# Altium PCB PCBv1.1.PcbDoc (part 2 of 2)
Units mil, origin at the board's own origin, x right, y up, seen from the top; angles counter-clockwise.
Board outline 3700.79 x 5244.09 mil, 2 copper layers (Top Layer, Bottom Layer), stack 63.6 mil thick; 127 components, 113 nets, 554 pads, 1072 vias.
Unrouted connection lines stored in the file: 3.
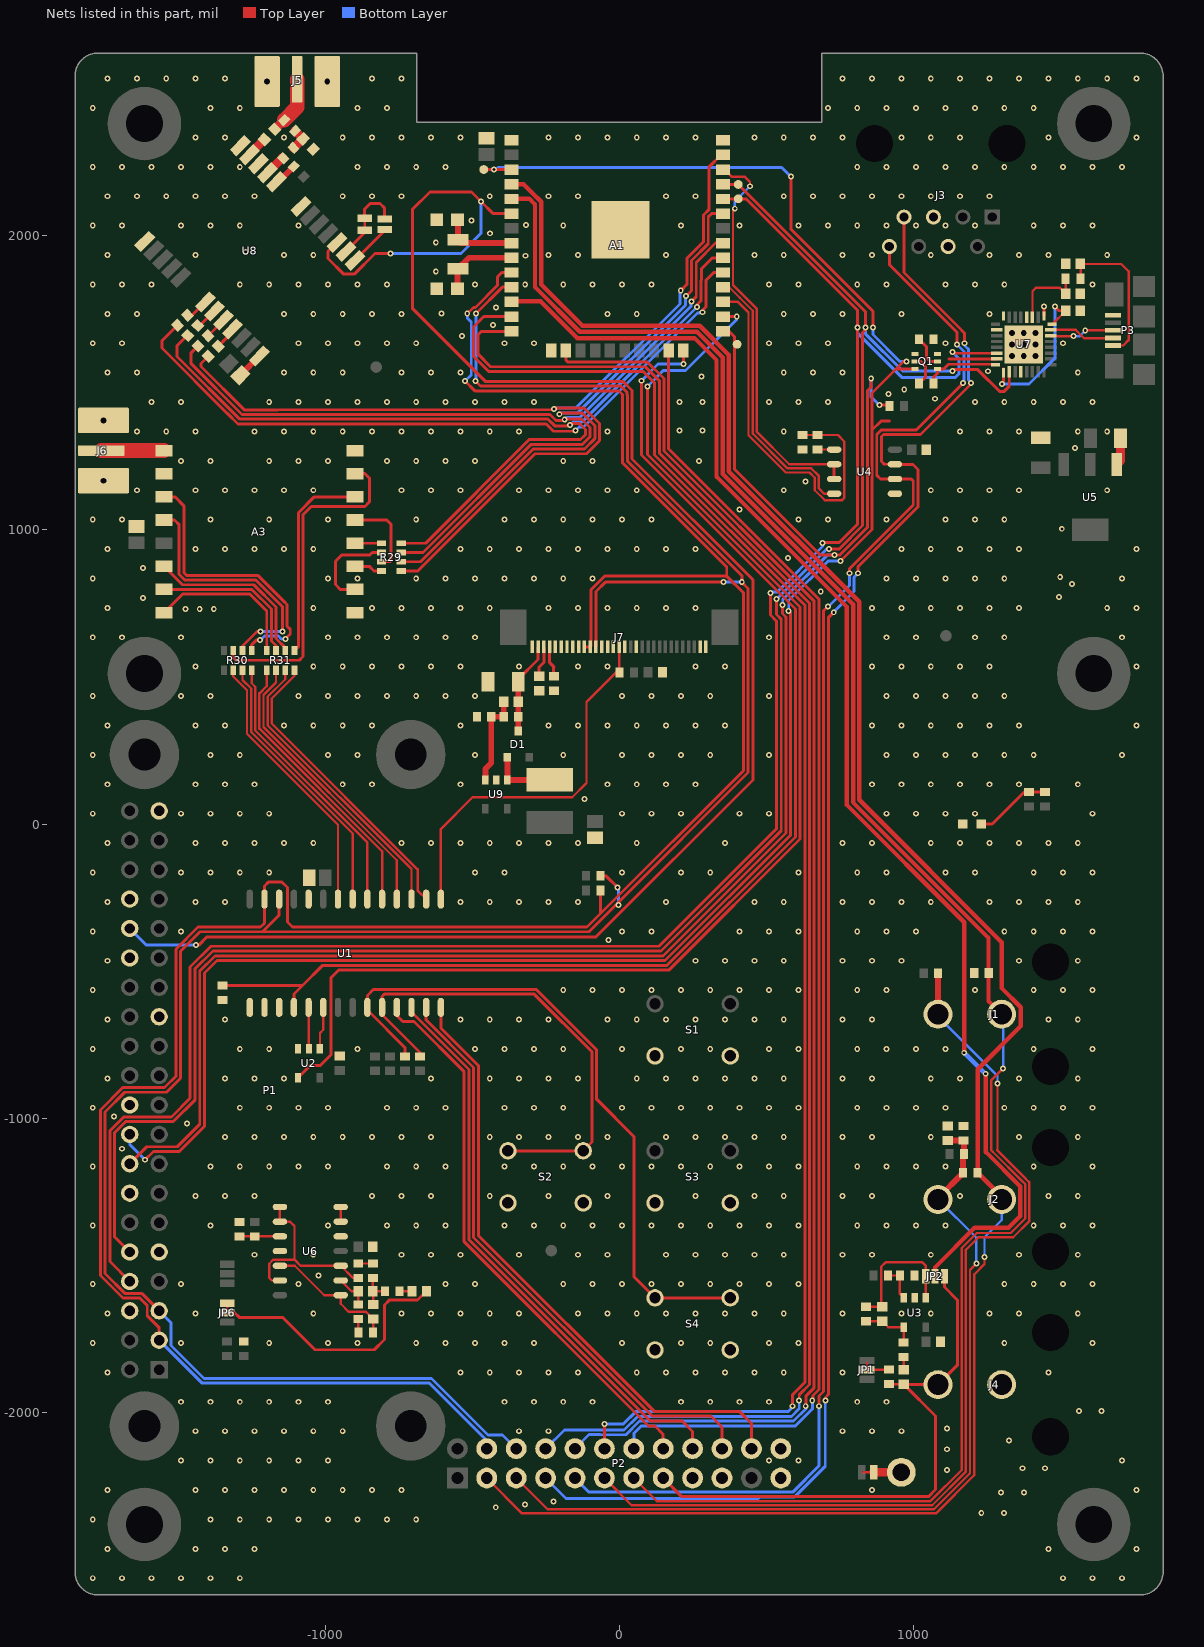
[diagram p2: the nets of this part, all layers, seen from the top]

## Via types
v1: diameter 20, hole 10, Top Layer to Bottom Layer, tented both sides, 1056 vias
v2: diameter 35, hole 20, Top Layer to Bottom Layer, tented top, 9 vias
v3: diameter 50, hole 28, Top Layer to Bottom Layer, tented both sides, 7 vias

## Nets (pads, with @x,y where several pads share a name; then routed paths per layer and width w, separated by ;. In a path a pad name is that pad's centre, name@x,y a point inside that pad or via, vN(x,y) a via of type N, cw(c..) or ccw(c..) an arc to the next point about the centre after c; other vN are vias at no path point) (continued)
BTN3: R38.1 S4.1 S4.2 U1.23 | length 2314.7
  Top Layer w10: R38.1@-728.1,-790.04 -728.1,-760.6 -856.05,-632.64 U1.23@-856.05,-623.67 -856.05,-582.93 -835.78,-562.66 -281.79,-562.66 -76.31,-768.14 -76.31,-936.2 50.75,-1063.26 50.75,-1540.12 S4.1@122.05,-1611.42 S4.2@377.95,-1611.42
BTN4: R39.1 S2.3 S2.4 U1.24 | length 1660.3
  Top Layer w10: R39.1@-676.95,-790.04 -676.95,-776.93 -806.05,-647.83 U1.24@-806.05,-623.67 -806.05,-586.2 -798.51,-578.66 -288.42,-578.66 -92.31,-774.77 -92.31,-1081.69 S2.3@-122.05,-1111.42 S2.4@-377.95,-1111.42
C\S\_SX: A3.5 R29.7 | length 286
  Top Layer w10: A3.5@-898.19,1033.87 -790.15,1033.87 -775.26,1018.98 -775.26,896.87 -780.23,891.89 R29.7@-808,891.89
CT: A1.4 J2.1 P2.3 R8.2 | length 7262.9
  Top Layer w8: P2.3@-450,-2224.41 -329.76,-2344.65 1077.53,-2344.65 1207.93,-2214.26 1207.93,-1531.59 1242.77,-1496.75 v1(1242.77,-1472.6)
  Top Layer w15: A1.4@-368.89,2175.16 -324.29,2175.16 -297.17,2148.04 -265.03,2115.89 -265.03,1834.81 -124.86,1694.64 273.85,1694.64 373.27,1595.22 373.27,1199.05 816.69,755.62 816.69,82.1 1300.75,-401.96 1300.75,-557.84 1366.29,-623.38 1366.29,-686.84 1219.35,-833.77 R8.2@1219.35,-1186.09 1301.08,-1267.81 J2.1@1301.08,-1276.77
  Bottom Layer w8: v1(1242.77,-1472.6) 1242.77,-1405.11 1301.08,-1346.81 J2.1@1301.08,-1276.77
CT_N: C29.2 J2.2 P2.5 R8.1 R9.1 R10.2 | length 2923.2
  Top Layer w8: P2.5@-350,-2224.41 -243.76,-2330.65 1071.02,-2330.65 1193.43,-2208.25 1193.43,-1516.57 v1(1215,-1495)
  Top Layer w20: J2.2@1084.54,-1276.77 1084.54,-1271.69 R8.1@1170.14,-1186.09 1170.14,-1124.87 R9.1@1172.53,-1122.49 1172.53,-1077.4 R10.2@1171.7,-1076.58 1118.68,-1076.58 C29.2@1118.26,-1076.16
  Bottom Layer w8: J2.2@1084.54,-1276.77 1215,-1407.23 v1(1215,-1495)
D_SEL: JP4.2 U8.2 | length 98.3
  Top Layer w10: U8.2@-928.85,1947.58 -865.44,2011 JP4.2@-865.44,2019.59
DIO0: R31.3 U1.3 | length 1005.9
  Top Layer w8: R31.3@-1135.42,522.96 -1135.42,492.45 -1195.27,432.59 -1195.27,336.01 -706.05,-153.21 U1.3@-706.05,-255.56
DIO0_SX: A3.14 R31.6 | length 599.5
  Top Layer w10: A3.14@-1547.8,876.39 -1485.06,813.65 -1242.33,813.65 -1166.41,737.73 -1166.41,630.53 -1135.42,599.54 R31.6@-1135.42,589.88
DIO1: R31.2 U1.4 | length 983.8
  Top Layer w8: R31.2@-1166.91,522.96 -1166.91,480.75 -1209.27,438.39 -1209.27,330.1 -756.05,-123.12 U1.4@-756.05,-255.56
DIO1_SX: A3.15 R31.7 | length 540.6
  Top Layer w10: A3.15@-1547.8,797.65 -1248.95,797.65 -1182.41,731.1 -1182.41,622.12 -1166.91,606.63 R31.7@-1166.91,589.88
DIO2: R31.1 U1.5 | length 961.6
  Top Layer w8: R31.1@-1198.41,522.96 -1198.41,469.06 -1223.27,444.19 -1223.27,324.3 -806.05,-92.92 U1.5@-806.05,-255.56
DIO2_SX: A3.16 R31.8 | length 533.8
  Top Layer w10: A3.16@-1547.8,718.48 -1484.63,781.65 -1255.58,781.65 -1198.41,724.48 R31.8@-1198.41,589.88
DIO3: R30.4 U1.6 | length 941.5
  Top Layer w8: R30.4@-1249.5,522.96 -1249.5,478.54 -1237.27,466.32 -1237.27,318.5 -856.05,-62.72 U1.6@-856.05,-255.56
DIO3_SX: A3.11 R30.5 | length 982.6
  Top Layer w10: A3.11@-1547.8,1112.61 -1510.62,1112.61 -1480.22,1082.21 -1480.22,855.04 -1470.83,845.65 -1229.07,845.65 -1139.01,755.58 -1138.37,755.58 -1129,746.21 -1129,672.8 -1118.38,662.18 -1118.38,645.81 v1(-1135.18,629) ; R30.5@-1249.5,589.88 -1249.5,609.5 -1233.86,625.14 v1(-1221.25,625.14)
  Bottom Layer w10: v1(-1221.25,625.14) -1220.16,625.14 -1206.3,639 -1158.7,639 -1148.63,628.94 -1148.57,629 v1(-1135.18,629)
DIO4: R30.3 U1.7 | length 933.8
  Top Layer w8: R30.3@-1280.99,522.96 -1280.99,490.24 -1251.27,460.52 -1251.27,312.7 -906.05,-32.52 U1.7@-906.05,-255.56
DIO4_SX: A3.12 R30.6 | length 880.8
  Top Layer w10: A3.12@-1547.8,1033.87 -1512.03,1033.87 -1496.22,1018.06 -1496.22,848.42 -1477.46,829.65 -1235.7,829.65 -1145.64,739.58 -1145,739.58 v1(-1145,655) ; R30.6@-1280.99,589.88 -1280.99,605.58 -1231.58,655 v1(-1220,655)
  Bottom Layer w10: v1(-1220,655) v1(-1145,655)
DIO5: R30.2 U1.8 | length 926.2
  Top Layer w8: R30.2@-1312.49,522.96 -1312.49,501.94 -1265.27,454.72 -1265.27,306.91 -956.05,-2.32 U1.8@-956.05,-255.56
DIO5\_SX: A3.7 R30.7 | length 1132.2
  Top Layer w10: R30.7@-1312.49,589.88 -1312.49,566.88 -1302.45,556.84 -1087.69,556.84 -1074.79,569.74 -1074.79,1051.66 -1046.74,1079.7 -864.58,1079.7 -849.41,1094.88 -849.41,1176.84 -863.92,1191.35 A3.7@-898.19,1191.35
Filtered: C14.1 R24.1 U6.1 U6.12 | length 455.3
  Top Layer w8: U6.12@-1153.52,-1502.4 -1102.86,-1502.4 -1002.86,-1602.4 U6.1@-946.83,-1602.4 -946.83,-1631.72 -919.78,-1658.77 -860.93,-1658.77 C14.1@-836.31,-1683.38 -836.31,-1727.95 R24.1@-837.33,-1728.96
FTDI_3.3V: C18.2 U7.1 U7.16 | length 564.2
  Top Layer w8: U7.16@1462.76,1699.99 1473.47,1699.99 C18.2@1519.07,1745.59
  Top Layer w10: v1(1302.31,1496.04) 1307.25,1500.98 U7.1@1307.25,1534.63 U7.1@1307.25,1548.17 ; v1(1481.96,1759.9) 1496.27,1745.59 C18.2@1519.07,1745.59
  Bottom Layer w10: v1(1302.31,1496.04) 1393.66,1496.04 1481.96,1584.34 v1(1481.96,1759.9)
FTDI_DTR: Q1.1 R25.2 U7.31 | length 161.1
  Top Layer w10: 1122.52,1581.88 U7.31@1283.63,1581.88
FTDI_RTS: Q1.4 R26.2 U7.32 | length 258.8
  Top Layer w10: R26.2@1069.51,1498.01 1069.51,1519.05 1083.29,1532.83 Q1.4@1083.29,1547.65 1104.19,1547.65 1120.03,1563.48 1278.4,1563.48 U7.32@1279.69,1562.19
GND: A1.0 A1.1 A1.15 A1.38 A3.1 A3.8 A3.10 C1.1 C2.1 C3.1 C4.1 C5.1 C6.1 C7.1 C10.1 C11.1 C15.1 C16.1 C17.1 C18.1 C20.1 C21.1 C22.1 C24.1 C25.1 C26.1 C28.1 C29.1 D2.K J3.4 J3.5 J4.1 J5.2 J6.2 J7.1 J7.2 J7.13 J7.15 J7.17 J7.18 J7.19 J7.23 J7.24 J7.25 J7.26 J7.27 J7.31 JP3.1 JP4.1 JP6.3 P1.6 P1.9 P1.14 P1.20 P1.25 P1.30 P1.34 P1.39 P2.23 P2.24 P3.5 R3.1 R7.1 R10.1 R12.1 R14.1 R19.1 R32.2 R35.1 R43.1 S1.3 S1.4 S2.1 S2.2 S3.3 S3.4 S4.3 S4.4 U1.10 U1.15 U1.16 U1.17 U2.3 U3.2 U4.5 U5.1 U6.5 U6.11 U7.4 U7.17 U7.20 U7.24 U7.26 U7.33 U8.7 U8.10 U8.12 U8.13 U8.24 U9.2 | length 521.2
  Top Layer w10: JP4.1@-865.44,2069.59 -865.44,2090.98 -846.41,2110 -827.5,2110 -813.26,2110 -797.11,2093.85 JP3.1@-797.11,2057.31 ; JP4.1@-850.44,2054.59 JP4.1@-850.44,2057.31 ; U7.17@1445.05,1727.54 v1(1445.03,1760.5)
  Top Layer w20: C20.1@-1288.28,1526.55 -1223.5,1591.33 U8.24@-1223.5,1591.69 ; C29.1@1118.26,-1026.95 C29.1@1118.68,-1027.36
  Top Layer w30: U5.1@1692.77,1222.52 1705.42,1235.17 C11.1@1705.42,1311.93
  Bottom Layer w10: v2(1336.78,1631.09) v2(1376.15,1631.09) ; v2(1376.15,1591.72) v2(1376.15,1631.09) ; v2(1376.15,1670.46) v2(1376.15,1631.09) ; v2(1415.52,1631.09) v2(1376.15,1631.09)
  other v1: -1790,-2565 -1690,-2565 -1590,-2565 -1490,-2565 -1390,-2565 -1290,-2565 1510,-2565 1610,-2565 1710,-2565 -1740,-2465 -1440,-2465 -1340,-2465 -1240,-2465 1460,-2465 1760,-2465 -1790,-2365 -1390,-2365 -1290,-2365 -1190,-2365 -1090,-2365 -990,-2365 -890,-2365 -790,-2365 -690,-2365 1231.81,-2342.88 1309.22,-2342.88 -419.51,-2323.78 -319.71,-2314.42 -223.04,-2303.5 1299.17,-2273.51 1376.58,-2273.51 -1740,-2265 -1440,-2265 -1340,-2265 -1240,-2265 -1140,-2265 -1040,-2265 -940,-2265 -840,-2265 -740,-2265 860,-2265 1760,-2265 1115.21,-2196.69 1371.56,-2191.06 1448.97,-2191.06 -1490,-2165 -1390,-2165 -1290,-2165 -1190,-2165 -1090,-2165 -990,-2165 510,-2165 610,-2165 1710,-2165 1115.21,-2126.33 1326.19,-2097.22 -1440,-2065 -1340,-2065 -1240,-2065 -1140,-2065 -1040,-2065 -940,-2065 -340,-2065 -240,-2065 760,-2065 860,-2065 960,-2065 1115.21,-2055.98 1563.59,-1996.02 1641,-1996.02 -1490,-1965 -1390,-1965 -1290,-1965 -1190,-1965 -1090,-1965 -990,-1965 -390,-1965 -290,-1965 -190,-1965 -90,-1965 210,-1965 310,-1965 410,-1965 510,-1965 810,-1965 910,-1965 -1740,-1865 -540,-1865 -440,-1865 -340,-1865 -240,-1865 -140,-1865 60,-1865 160,-1865 260,-1865 360,-1865 460,-1865 560,-1865 760,-1865 1460,-1865 -1790,-1765 -1490,-1765 -1190,-1765 -990,-1765 -890,-1765 -690,-1765 -590,-1765 -490,-1765 -390,-1765 -290,-1765 10,-1765 210,-1765 310,-1765 510,-1765 610,-1765 1310,-1765 1610,-1765 -1740,-1665 -1440,-1665 -1040,-1665 -740,-1665 -640,-1665 -540,-1665 -440,-1665 -340,-1665 -140,-1665 -40,-1665 60,-1665 160,-1665 260,-1665 360,-1665 460,-1665 560,-1665 760,-1665 960,-1665 1060,-1665 1260,-1665 1360,-1665 1560,-1665 -1790,-1565 -1490,-1565 -1090,-1565 -590,-1565 -490,-1565 -190,-1565 -90,-1565 10,-1565 110,-1565 210,-1565 310,-1565 410,-1565 510,-1565 610,-1565 1310,-1565 1410,-1565 1510,-1565 1610,-1565 -1022.25,-1535.2 -1240,-1465 -1040,-1465 -740,-1465 -640,-1465 -540,-1465 -340,-1465 -140,-1465 -40,-1465 160,-1465 260,-1465 360,-1465 460,-1465 560,-1465 760,-1465 860,-1465 1060,-1465 1360,-1465 1560,-1465 -1790,-1365 -1390,-1365 -990,-1365 -790,-1365 -690,-1365 -590,-1365 -390,-1365 -290,-1365 -190,-1365 -90,-1365 10,-1365 110,-1365 210,-1365 310,-1365 410,-1365 510,-1365 610,-1365 810,-1365 910,-1365 1010,-1365 1110,-1365 1410,-1365 1510,-1365 1610,-1365 -1440,-1265 -1340,-1265 -1240,-1265 -840,-1265 -740,-1265 -640,-1265 -440,-1265 -240,-1265 -40,-1265 260,-1265 460,-1265 560,-1265 760,-1265 860,-1265 1160,-1265 1460,-1265 1560,-1265 -1790,-1165 -1390,-1165 -1290,-1165 -1190,-1165 -1090,-1165 -990,-1165 -790,-1165 -690,-1165 -590,-1165 -390,-1165 -290,-1165 -190,-1165 -90,-1165 10,-1165 110,-1165 210,-1165 310,-1165 410,-1165 510,-1165 610,-1165 810,-1165 910,-1165 1010,-1165 1110,-1165 1410,-1165 1610,-1165 -1691.15,-1104.51 -1340,-1065 -1240,-1065 -1140,-1065 -1040,-1065 -940,-1065 -840,-1065 -740,-1065 -640,-1065 -440,-1065 -340,-1065 -240,-1065 -140,-1065 -40,-1065 160,-1065 260,-1065 360,-1065 460,-1065 560,-1065 760,-1065 860,-1065 1060,-1065 1360,-1065 1560,-1065 -1470.02,-1018.78 -1717.71,-994.17 -1790,-965 -1290,-965 -1190,-965 -1090,-965 -990,-965 -790,-965 -690,-965 -590,-965 -390,-965 -290,-965 -190,-965 10,-965 110,-965 210,-965 310,-965 410,-965 510,-965 610,-965 810,-965 910,-965 1010,-965 1110,-965 1310,-965 1410,-965 1510,-965 1610,-965 -1740,-865 -1340,-865 -1240,-865 -1140,-865 -640,-865 -440,-865 -340,-865 -240,-865 -140,-865 60,-865 160,-865 260,-865 360,-865 460,-865 560,-865 760,-865 860,-865 1060,-865 1160,-865 1360,-865 1560,-865 -1790,-765 -1290,-765 -1190,-765 -890,-765 -490,-765 -390,-765 -290,-765 -190,-765 10,-765 210,-765 310,-765 510,-765 610,-765 810,-765 910,-765 1010,-765 1110,-765 1410,-765 1610,-765 -1740,-665 -1340,-665 -540,-665 -440,-665 -340,-665 -240,-665 -40,-665 60,-665 160,-665 260,-665 360,-665 460,-665 560,-665 760,-665 860,-665 1460,-665 1560,-665 -1790,-565 -190,-565 -90,-565 10,-565 110,-565 210,-565 310,-565 410,-565 510,-565 610,-565 810,-565 910,-565 1210,-565 1410,-565 1510,-565 1610,-565 -1740,-465 260,-465 360,-465 460,-465 560,-465 760,-465 860,-465 960,-465 1360,-465 1560,-465 -36.29,-394.71 -1790,-365 -1490,-365 10,-365 110,-365 410,-365 510,-365 610,-365 810,-365 910,-365 1010,-365 1310,-365 1410,-365 1510,-365 1610,-365 -1740,-265 -1440,-265 -1340,-265 -540,-265 -440,-265 -340,-265 -240,-265 -140,-265 160,-265 460,-265 560,-265 760,-265 860,-265 960,-265 1060,-265 1260,-265 1360,-265 1460,-265 1560,-265 -1790,-165 -1490,-165 -1390,-165 -1290,-165 -1190,-165 -490,-165 -390,-165 10,-165 210,-165 310,-165 610,-165 810,-165 910,-165 1110,-165 1210,-165 1410,-165 1510,-165 1610,-165 -1740,-65 -1440,-65 -1340,-65 -1240,-65 -1140,-65 -1040,-65 -740,-65 -640,-65 -540,-65 -440,-65 -340,-65 -240,-65 -140,-65 60,-65 360,-65 760,-65 860,-65 1060,-65 1160,-65 1260,-65 1360,-65 1460,-65 1560,-65 -1790,35 -1490,35 -1390,35 -1290,35 -1190,35 10,35 110,35 210,35 410,35 510,35 910,35 1010,35 1110,35 1210,35 1610,35 -118.11,84.8 -1740,135 -1440,135 -1340,135 -1240,135 -940,135 -840,135 -540,135 -40,135 60,135 160,135 260,135 860,135 960,135 1060,135 1160,135 1260,135 1360,135 1560,135 -1790,235 -1390,235 -1290,235 -990,235 -890,235 -490,235 -190,235 10,235 110,235 210,235 310,235 510,235 910,235 1010,235 1110,235 1210,235 1310,235 1410,235 1710,235 -1740,335 -1440,335 -1340,335 -1140,335 -1040,335 -940,335 -840,335 -540,335 -240,335 -140,335 -40,335 60,335 160,335 260,335 360,335 860,335 960,335 1060,335 1160,335 1260,335 1360,335 1760,335 -1790,435 -1490,435 -1390,435 -1090,435 -990,435 -890,435 -790,435 -690,435 -590,435 -490,435 10,435 110,435 210,435 310,435 510,435 910,435 1010,435 1110,435 1210,435 1310,435 -1440,535 -1040,535 -940,535 -840,535 -740,535 -640,535 -540,535 -340,535 -140,535 -40,535 260,535 360,535 860,535 960,535 1060,535 1160,535 1260,535 1760,535 -1790,635 -1690,635 -1490,635 -990,635 -890,635 -790,635 -690,635 -590,635 -490,635 510,635 910,635 1010,635 1210,635 1310,635 1710,635 -1474.19,730.59 -1426.3,730.59 -1378.42,730.59 -1740,735 -1040,735 -840,735 -740,735 -640,735 -540,735 -440,735 -240,735 -140,735 -40,735 60,735 160,735 260,735 860,735 960,735 1060,735 1160,735 1260,735 1360,735 1660,735 1760,735 -1618.63,768.9 1496.47,771.51 685.71,791.06 1540.07,816.01 -1790,835 -990,835 -890,835 -690,835 -590,835 -490,835 -390,835 -290,835 -190,835 -90,835 910,835 1010,835 1110,835 1210,835 1310,835 1710,835 1500.11,840.53 -1618.63,870.25 574.39,904.31 -1740,935 -1440,935 -1340,935 -1240,935 -1140,935 -1040,935 -540,935 -440,935 -340,935 -240,935 -140,935 -40,935 60,935 160,935 260,935 960,935 1060,935 1160,935 1260,935 1360,935 1760,935 1505.56,1004.01 -1790,1035 -1690,1035 -1390,1035 -1190,1035 -990,1035 -690,1035 -390,1035 -290,1035 -190,1035 -90,1035 10,1035 110,1035 610,1035 710,1035 910,1035 1110,1035 1210,1035 1310,1035 408.98,1070.11 -1640,1135 -1440,1135 -1340,1135 -1240,1135 -1140,1135 -1040,1135 -740,1135 -640,1135 -540,1135 -340,1135 -240,1135 -140,1135 -40,1135 60,1135 560,1135 1060,1135 1160,1135 1260,1135 1360,1135 1660,1135 633.59,1164.26 -1490,1235 -1390,1235 -1190,1235 -1090,1235 -990,1235 -790,1235 -690,1235 -590,1235 -490,1235 -190,1235 -90,1235 272.14,1234.94 1550.06,1278.28 -1640,1335 -1540,1335 -1440,1335 -1240,1335 -1140,1335 -1040,1335 -940,1335 -840,1335 -740,1335 -640,1335 -540,1335 -440,1335 -340,1335 -40,1335 560,1335 1160,1335 1260,1335 1360,1335 1560,1335 1660,1335 205.83,1338.56 283.25,1338.56 -1590,1435 -1490,1435 -1190,1435 -1090,1435 -990,1435 -890,1435 -790,1435 -690,1435 -590,1435 -490,1435 -390,1435 -290,1435 205.83,1434.79 283.25,1434.79 510,1435 610,1435 710,1435 1210,1435 1310,1435 1410,1435 1510,1435 1610,1435 1074.16,1446.3 916.13,1462.65 969.72,1478.09 279.99,1521.73 -1740,1535 -1640,1535 -1140,1535 -1040,1535 -940,1535 -740,1535 -640,1535 -540,1535 560,1535 660,1535 760,1535 1560,1535 1254.89,1539.84 -1790,1635 -1690,1635 -1090,1635 -990,1635 -890,1635 -790,1635 -690,1635 -390,1635 -290,1635 510,1635 610,1635 710,1635 1110,1635 1510,1635 -533.69,1660.09 -428.48,1697.13 -1740,1735 -1640,1735 -1140,1735 -1040,1735 -940,1735 -840,1735 -740,1735 -40,1735 60,1735 560,1735 660,1735 760,1735 960,1735 1260,1735 -603.46,1735.99 -418.67,1757.2 -319.38,1834.43 -1790,1835 -1690,1835 -1590,1835 -1290,1835 -1190,1835 -1090,1835 -990,1835 -890,1835 -790,1835 -490,1835 -190,1835 -90,1835 10,1835 110,1835 510,1835 610,1835 810,1835 910,1835 1110,1835 1210,1835 1310,1835 1610,1835 -623.39,1879.35 -318.15,1932.5 -1740,1935 -1440,1935 -1140,1935 -1040,1935 -240,1935 -140,1935 160,1935 460,1935 560,1935 760,1935 860,1935 1060,1935 1260,1935 1360,1935 1460,1935 1660,1935 -1269.77,1944.66 -623.39,1977.48 -438.63,2008.91 -1790,2035 -1690,2035 -1490,2035 -1390,2035 -1290,2035 -1090,2035 -190,2035 210,2035 410,2035 610,2035 710,2035 810,2035 910,2035 1010,2035 1110,2035 1210,2035 1410,2035 1510,2035 1610,2035 -316.31,2036.69 -502.26,2052.61 -1740,2135 -1640,2135 -1540,2135 -1440,2135 -1340,2135 -1240,2135 -940,2135 -840,2135 -740,2135 -440,2135 -240,2135 -140,2135 160,2135 260,2135 560,2135 660,2135 760,2135 860,2135 960,2135 1060,2135 1160,2135 1260,2135 -1790,2235 -1690,2235 -1590,2235 -1490,2235 -1390,2235 -1290,2235 -890,2235 -790,2235 -690,2235 -590,2235 810,2235 910,2235 1010,2235 1110,2235 1210,2235 1310,2235 1410,2235 1510,2235 1610,2235 1710,2235 -1440,2335 -1340,2335 -1140,2335 -940,2335 -840,2335 -740,2335 -640,2335 -540,2335 -240,2335 -140,2335 -40,2335 60,2335 160,2335 260,2335 460,2335 560,2335 660,2335 760,2335 960,2335 1060,2335 1160,2335 1460,2335 1760,2335 -1790,2435 -1390,2435 -1290,2435 -890,2435 -790,2435 710,2435 810,2435 910,2435 1010,2435 1110,2435 1210,2435 1310,2435 1410,2435 -1740,2535 -1640,2535 -1540,2535 -1440,2535 -1340,2535 -840,2535 -740,2535 760,2535 860,2535 960,2535 1060,2535 1160,2535 1260,2535 1360,2535 1460,2535 1560,2535 1660,2535 1760,2535
  other v2: 1336.78,1591.72 1415.52,1591.72 1336.78,1670.46 1415.52,1670.46
GPIO1: A1.14 P2.8 | length 5479.1
  Top Layer w10: A1.14@-366.24,1675.6 -468.07,1675.6 -479.32,1664.36 -479.32,1597.36 -436.96,1555 89.12,1555 136.68,1507.44 136.68,1261.85 647.51,751.02 647.51,-1906.21 612.68,-1941.04 v1@612.68,-1959.22
  Bottom Layer w10: P2.8@-250,-2124.41 -186.07,-2060.48 -59.22,-2060.48 -58.7,-2061 16.87,-2061 63.19,-2014.68 586.16,-2014.68 612.68,-1988.17 v1@612.68,-1959.22
  other v1: 612.32,-1960.18
GPIO2: A1.16 P2.10 | length 4961.4
  Top Layer w10: A1.16@-181.32,1610.6 -181.32,1578.24 -174.57,1571.49 95.85,1571.49 152.68,1514.66 152.68,1268.48 663.51,757.64 663.51,-1916.95 636.12,-1944.34 636.12,-1951.32 635.96,-1951.48 635.96,-1968.88 636.12,-1969.03 v1@636.12,-1975.01
  Bottom Layer w10: P2.10@-150,-2124.41 -102.07,-2076.48 -65.85,-2076.48 -65.33,-2077 23.5,-2077 69.82,-2030.68 593.33,-2030.68 636.12,-1987.9 v1@636.12,-1975.01
  other v1: 634.64,-1980
GPIO3: A1.13 P2.12 | length 5357.5
  Top Layer w10: A1.13@-366.24,1725.6 -460.14,1725.6 -495.36,1690.39 -495.36,1590.77 -443.59,1539 82.49,1539 120.68,1500.81 120.68,1255.22 631.51,744.39 631.51,-1899.58 590,-1941.09 v1@590,-1975 ; P2.12@-50,-2124.41 v1(-50,-2040)
  Bottom Layer w10: v1(-50,-2040) 15.24,-2040 56.59,-1998.66 574.79,-1998.66 590,-1983.45 v1(590,-1980) v1@590,-1975
GPIO4: A1.23 P2.14 | length 4514
  Top Layer w10: A1.23@168.68,1610.6 168.68,1275.11 679.51,764.27 679.51,-1923.58 659.56,-1943.53 v1@659.56,-1960.18
  Bottom Layer w10: P2.14@50,-2124.41 50,-2073.13 76.44,-2046.68 599.96,-2046.68 658.02,-1988.63 658.02,-1961.72 v1@659.56,-1960.18
  other v1: 656.96,-1960.18
GPIO5: P2.16 U1.25 | length 1910.7
  Top Layer w10: U1.25@-756.05,-623.67 -756.05,-651.36 -735.65,-671.75 -697.89,-671.75 -526.8,-842.85 -526.8,-1420.58 100.23,-2047.6 121.66,-2047.6 150,-2075.94 P2.16@150,-2124.41
GPIO6: P2.18 U1.26 | length 1960.6
  Top Layer w10: U1.26@-706.05,-623.67 -706.05,-639.58 -510.8,-834.84 -510.8,-1413.95 105.82,-2030.56 214.81,-2030.56 250,-2065.75 P2.18@250,-2124.41
GPIO7: P2.20 U1.27 | length 2034.6
  Top Layer w10: U1.27@-656.05,-623.67 -656.05,-666.95 -494.8,-828.21 -494.8,-1406.17 112.56,-2013.52 312.51,-2013.52 350,-2051.01 P2.20@350,-2124.41
GPIO8: P2.22 U1.28 | length 2107.9
  Top Layer w10: U1.28@-606.05,-623.67 -606.05,-694.32 -478.8,-821.58 -478.8,-1399.54 119.19,-1997.52 408.97,-1997.52 450,-2038.55 P2.22@450,-2124.41
GPS_PPS: A1.6 P1.32 U8.3 | length 6236.9
  Top Layer w10: v1(-1438.75,-412.11) -1429.74,-412.11 -1401.37,-383.75 -78.8,-383.75 455,150.05 455,830.39 43.83,1241.56 43.83,1466.02 43.54,1466.31 43.54,1474.38 12.3,1505.61 -455.45,1505.61 -701.92,1752.07 -701.92,2091.19 -643.43,2149.68 -501.85,2149.68 v1(-469.22,2117.05) -427.78,2075.6 A1.6@-366.24,2075.6 ; U8.3@-959.47,1978.21 -989.97,1947.71 -989.97,1922.95 -936.79,1869.77 -901.05,1869.77 -830.16,1940.67 v1(-777.4,1940.67)
  Bottom Layer w10: P1.32@-1664.17,-355.51 -1607.58,-412.11 v1(-1438.75,-412.11) ; v1(-777.4,1940.67) -537.44,1940.67 -469.22,2008.89 v1(-469.22,2117.05)
I2C.SCL: A1.11 J7.20 P1.5 P2.6 R5.1 U1.12 | length 8517.9
  Top Layer w10: P1.5@-1564.17,-1655.51 -1623.65,-1596.04 -1680.96,-1596.04 -1747.96,-1529.04 -1747.96,-979.23 -1681.08,-912.35 -1539.11,-912.35 -1491.29,-864.53 -1491.29,-432.72 -1425.09,-366.52 -1212.67,-366.52 ; U1.12@-1156.05,-255.56 -1156.05,-309.9 -1212.67,-366.52 ; v1(-488.34,1506.76) -471.18,1489.61 5.68,1489.61 27.54,1467.75 27.54,1459.68 27.83,1459.39 27.83,1234.94 417.3,845.47 v1(417.3,822.43) 438.78,800.95 438.78,174.84 -6.5,-270.45 -2.35,-274.59 v1(-2.35,-275.99) ; v1(-486.9,1735.93) -397.24,1825.6 A1.11@-366.24,1825.6 ; J7.20@-78.74,602.36 -78.74,790.69 -46.99,822.43 v1(355.09,822.43) ; R5.1@-63.07,-175.95 -45.11,-175.95 v1(-4.92,-216.14) ; v1@-10.82,-276.85 v1@-6.5,-276.85 ; v1@-7.2,-271.15 -102.58,-366.52 -1212.67,-366.52
  Bottom Layer w10: P1.5@-1564.17,-1655.51 -1523.65,-1696.04 -1523.65,-1773.41 -1411.41,-1885.65 -638.08,-1885.65 -445.76,-2077.98 -396.43,-2077.98 P2.6@-350,-2124.41 ; v1@-486.9,1506.76 v1(-486.9,1735.93) ; v1(-4.92,-216.14) -2.35,-218.7 v1(-2.35,-275.99) ; v1(355.09,822.43) v1(417.3,822.43)
I2C.SDA: A1.10 J7.21 J7.22 P1.3 P2.4 R4.1 U1.13 | length 8617.1
  Top Layer w10: P1.3@-1564.17,-1755.51 -1564.17,-1712.83 -1604.7,-1672.3 -1604.7,-1637.61 -1630.27,-1612.04 -1687.59,-1612.04 -1763.96,-1535.67 -1763.96,-972.61 -1687.7,-896.35 -1545.74,-896.35 -1507.29,-857.9 -1507.29,-426.09 -1431.72,-350.52 -1219.3,-350.52 -1206.05,-337.27 U1.13@-1206.05,-255.56 -1206.05,-211.15 -1192.9,-198 -1146.17,-198 -1128.15,-216.01 -1128.15,-333.39 -1111.03,-350.52 -109.2,-350.52 -63.07,-304.38 ; v1(-523.85,1506.31) -490.74,1473.19 -490.74,1472.74 -0.08,1472.74 11.54,1461.12 11.54,1228.6 366.08,874.06 366.08,841.15 363.79,843.43 -48.62,843.43 -95.65,796.41 -95.65,605.14 J7.21@-98.43,602.36 J7.22@-118.11,602.36 ; v1(-516.43,1735.71) -516.43,1736.11 -495.6,1756.93 -488.53,1756.93 -413.52,1831.95 -413.52,1860.91 -398.82,1875.6 A1.10@-366.24,1875.6 ; R4.1@-63.07,-226.63 -63.07,-304.38 ; 368.17,841.15 422.78,786.54 422.78,181.46 -63.07,-304.38
  Bottom Layer w10: P1.3@-1564.17,-1755.51 -1418.03,-1901.65 -645.25,-1901.65 -450,-2096.9 P2.4@-450,-2124.41 ; v1(-523.85,1506.31) -502.9,1527.25 -502.9,1706.87 -516.43,1720.39 v1(-516.43,1735.71) v1@-516.43,1736.44
INTA: U1.20 U2.1 | length 145.8
  Top Layer w8: U2.1@-1017.44,-764.77 -1017.44,-710.98 -1006.05,-699.59 U1.20@-1006.05,-623.67
INTB: U1.19 U2.2 | length 141.6
  Top Layer w8: U1.19@-1056.05,-623.67 -1056.05,-763.56 U2.2@-1054.84,-764.77
IO0: A1.25 P1.16 Q1.6 R1.1 TP1.1 | length 5799.7
  Top Layer w10: P1.16@-1664.17,-1155.51 -1606.35,-1097.68 -1502.52,-1097.68 -1426.11,-1021.28 -1426.11,-500.25 -1374.5,-448.64 149.56,-448.64 567.51,-30.68 567.51,703.36 555.32,715.55 555.32,743.94 v1(555.98,744.59) ; A1.25@353.76,1675.6 373.94,1675.6 391.77,1657.77 391.77,1207.4 684.38,914.79 v1(732.73,914.79) 733.38,915.45 751.44,915.45 844.18,1008.19 844.18,1472.55 857.38,1485.74 v1(857.38,1515.12) ; v1(885,1425) 916.73,1425 R1.1@920.19,1421.54
  Bottom Layer w10: v1(555.98,744.59) 556.63,745.25 556.63,763.04 707.73,914.13 732.07,914.13 v1(732.73,914.79) ; v1(857.38,1515.12) 857.38,1452.62 v1(885,1425)
IOE_INT: A1.26 U2.4 | length 4405.5
  Top Layer w10: U2.4@-1092.24,-863.2 -1050.94,-821.89 -1017.05,-821.89 -980.54,-785.38 -980.54,-523.43 -954.2,-497.09 168.99,-497.09 615.51,-50.57 615.51,737.76 96.54,1256.74 v1(96.54,1488.26) ; A1.26@353.76,1725.6 v1(400.12,1725.6)
  Bottom Layer w10: v1(96.54,1488.26) 150.16,1541.89 226.05,1541.89 400.12,1715.95 v1(400.12,1725.6)
IOE_R\S\T\: A1.24 R3.2 U1.18 | length 4225.4
  Top Layer w10: R3.2@-1348.95,-549.46 -1076.93,-549.46 ; U1.18@-1106.05,-623.67 -1106.05,-578.59 -1076.93,-549.46 ; v1(75.83,1507.38) 75.83,1497.25 75.54,1496.96 75.54,1479.56 75.83,1479.27 75.83,1254.82 599.51,731.14 599.51,-43.94 162.75,-480.7 -1008.17,-480.7 -1076.93,-549.46 ; v1(218.68,1564.21) A1.24@218.68,1610.6
  Bottom Layer w10: v1(75.83,1507.38) 132.67,1564.21 v1(218.68,1564.21)
Iref: J7.28 R32.1 | length 105.9
  Top Layer w10: J7.28@-236.22,602.36 -236.22,548.54 -222.42,534.75 ; R32.1@-222.42,503.38 -222.42,534.75 ; -222.42,534.88 -222.42,534.75 ; -221.68,534 -222.42,534.75
LCD_R\S\T\: J7.16 R33.1 U1.1 | length 1307.4
  Top Layer w8: U1.1@-606.05,-255.56 -606.05,-16.77 -498.22,91.06 -159.4,91.06 -110.7,139.75 -110.7,414.81 0,525.51 J7.16@0,602.36
Leak: A1.5 J1.1 P2.13 R7.2 | length 6709.2
  Top Layer w8: P2.13@50,-2224.41 128.24,-2302.65 1059.02,-2302.65 1165.14,-2196.53 1165.14,-1442.09 1216.21,-1391.02 1331.72,-1391.02 1381.29,-1341.45 1381.29,-1224.78 1372.42,-1215.91 1270.94,-1114.43 1265.08,-1108.58 1265.08,-872.02 v1(1305.88,-831.23)
  Top Layer w15: A1.5@-366.99,2127.04 -305.87,2127.04 -286.03,2107.19 -286.03,1826.11 -133.56,1673.64 265.15,1673.64 352.27,1586.52 352.27,1190.35 795.69,746.92 795.69,73.41 1256.42,-387.32 1256.42,-602.2 J1.1@1301.08,-646.85
  Bottom Layer w8: J1.1@1301.08,-646.85 1317.46,-663.24 1305.88,-674.82 v1(1305.88,-831.23)
Leak_P: J1.2 P2.11 R6.1 | length 3299.1
  Top Layer w8: P2.11@-50,-2224.41 42.24,-2316.65 1065.02,-2316.65 1179.28,-2202.39 1179.28,-1447.74 1221.87,-1405.16 1340.64,-1405.16 1395.29,-1350.51 1395.29,-1218.98 1382.48,-1206.18 1382.48,-1205.98 1285.08,-1108.58 1286.8,-1106.86 v1(1286.8,-882.74)
  Top Layer w20: J1.2@1084.54,-646.85 R6.1@1084.54,-507.41
  Bottom Layer w8: J1.2@1084.54,-646.85 1084.54,-654.84 1285.19,-855.49 1285.08,-855.6 1286.8,-857.32 v1(1286.8,-882.74)
LoRa_R\S\T\: R31.4 U1.2 | length 1028.1
  Top Layer w8: R31.4@-1103.92,522.96 -1103.92,504.15 -1181.27,426.79 -1181.27,341.81 -685.22,-154.24 -685.22,-226.38 U1.2@-656.05,-255.56
MCU_EN: A1.3 P1.18 Q1.3 TP2.1 | length 6939.7
  Top Layer w10: v1(-1611.99,-1141.79) -1583.88,-1113.68 -1495.89,-1113.68 -1410.11,-1027.9 -1410.11,-506.88 -1367.87,-464.64 142.93,-464.64 156.19,-464.64 583.51,-37.31 583.51,717.06 v1(576.32,724.25) ; TP2.1@-460.49,2225.78 -426.23,2225.78 v1(-426.08,2225.93) -425.76,2225.6 A1.3@-366.24,2225.6 ; v1(584.59,2201.46) 584.59,2022.4 863.39,1743.6 v1(863.39,1688.64) ; v1(753.07,894.45) 860.18,1001.56 860.18,1339.68 ; 920.19,1370.65 891.15,1370.65 860.18,1339.68 ; v1(977.61,1572.95) 967.22,1572.95 941.91,1547.65 ; Q1.3@1006.51,1547.65 941.91,1547.65 ; 860.18,1339.68 860.18,1465.92 941.91,1547.65
  Bottom Layer w10: P1.18@-1664.17,-1055.51 -1664.17,-1089.61 v1(-1611.99,-1141.79) ; v1(-426.08,2225.93) -419.35,2225.93 -412.26,2233.01 553.03,2233.01 v1(584.59,2201.46) ; v1(576.32,724.25) 576.98,724.91 576.98,760.75 579.92,763.69 710.01,893.79 752.41,893.79 v1(753.07,894.45) ; v1(863.39,1688.64) 863.39,1664.27 954.71,1572.95 v1(977.61,1572.95)
MCU_RX: A1.34 P1.8 TP3.1 U7.30 | length 6712.1
  Top Layer w10: P1.8@-1664.17,-1555.51 -1731.71,-1487.98 -1731.71,-1043.11 -1684.64,-996.04 -1522.55,-996.04 -1459,-932.49 -1459,-486.63 -1388.12,-415.75 135.93,-415.75 535.51,-16.17 535.51,689.54 514.63,710.42 514.63,784.62 v1(515.29,785.28) ; A1.34@353.76,2125.6 404.79,2125.6 TP3.1@405.29,2126.1 431.57,2126.1 811.43,1746.25 811.43,1020.69 747.53,956.79 693.35,956.79 v1(692.04,955.48) ; v1(1133.59,1605.01) 1139.08,1599.66 U7.30@1283.63,1601.56
  Bottom Layer w10: v1(515.29,785.28) 518.49,788.48 536.82,788.48 692.04,943.7 v1(692.04,955.48) ; v1(811.39,1688.64) 811.43,1668.94 961.19,1519.18 1144.44,1519.18 1155.28,1530.01 1155.28,1583.32 v1(1133.59,1605.01)
MCU_TX: A1.35 P1.10 TP4.1 U7.2 | length 6619.1
  Top Layer w10: P1.10@-1664.17,-1455.51 -1715.71,-1403.98 -1715.71,-1049.73 -1678.02,-1012.04 -1515.92,-1012.04 -1443,-939.12 -1443,-493.25 -1381.49,-431.75 142.56,-431.75 551.51,-22.8 551.51,696.16 534.98,712.7 534.98,764.28 v1(535.63,764.94) ; A1.35@353.76,2175.6 404.7,2175.6 TP4.1@405.29,2175.01 837.39,1742.91 v1(837.39,1688.64) 837.39,1680.28 828.18,1671.08 828.18,1014.82 749.16,935.79 v1(713.83,935.79) ; v1(1133.59,1540.61) 1137.98,1545 1219.79,1545 1293.35,1471.44 1309.78,1471.44 1326.94,1488.6 U7.2@1326.94,1538.57
  Bottom Layer w10: v1(535.63,764.94) 535.9,764.94 706.76,935.79 v1(713.83,935.79) ; v1(837.39,1688.64) 837.39,1667.65 964.42,1540.61 v1(1133.59,1540.61)
Mic: A1.12 JP2.2 | length 4511.9
  Top Layer w15: A1.12@-366.24,1777.41 -267.02,1777.41 -142.25,1652.64 256.45,1652.64 331.27,1577.82 331.27,1181.65 774.69,738.23 774.69,64.71 1173.82,-334.42 v1@1173.82,-776.49 ; JP2.2@1074.24,-1537.59 1074.24,-1508.24 1208.96,-1373.52 1324.47,-1373.52 1363.79,-1334.2 1363.79,-1232.03 1247.58,-1115.83 1247.58,-850.2 v1(1246.74,-849.35) ; v1(1173.66,-777.99) v1@1173.66,-776.49
  Bottom Layer w15: v1(1173.66,-777.99) 1245.02,-849.35 v1(1246.74,-849.35)
Mic_In: C8.1 J4.2 JP2.1 P2.15 R15.1 | length 1945.4
  Top Layer w8: R15.1@917.46,-1905.06 917.76,-1905.36 C8.1@968.04,-1905.36
  Top Layer w10: P2.15@150,-2224.41 213.24,-2287.65 1051.76,-2287.65 1076.23,-2263.18 1076.23,-2013.55 C8.1@969.38,-1906.69 ; C8.1@968.04,-1905.36 C8.1@969.38,-1906.69 ; JP2.1@1106.49,-1537.59 1106.49,-1574.99 1150.14,-1618.64 1150.14,-1841.09 J4.2@1084.54,-1906.69 C8.1@969.38,-1906.69
MISO_SX: A3.2 R29.6 | length 322
  Top Layer w10: A3.2@-898.19,797.65 -948.29,797.65 -964.9,814.26 -964.9,893.27 -944.06,914.11 -848.53,914.11 -839.24,923.39 R29.6@-808,923.39
MOSI_SX: A3.3 R29.8 | length 96.8
  Top Layer w10: A3.3@-898.19,876.39 -849.6,876.39 -833.61,860.4 R29.8@-808,860.4
NetA1_8: A1.8 C2.2 X1.1 | length 255.8
  Top Layer w20: C2.2@-549.42,2055.02 -548.4,2054 X1.1@-548.4,1986.26 -537.74,1975.6 A1.8@-366.24,1975.6
NetA1_9: A1.9 C3.2 X1.2 | length 265.7
  Top Layer w20: C3.2@-549.42,1820.39 -549.42,1886.82 X1.2@-548.4,1887.84 -510.63,1925.6 A1.9@-366.24,1925.6
NetA2_1: A2.1 JP5.1 | length 94
  Top Layer w30: JP5.1@865.69,-2204.72 A2.1@959.65,-2204.72
NetA3_9: A3.9 J6.1 | length 213.6
  Top Layer w10: J6.1@-1761.39,1270 J6.1@-1761.3,1270.09
  Top Layer w50: J6.1@-1761.3,1270.09 A3.9@-1547.8,1270.09
NetC8_2: C8.2 R16.1 | length 43.1
  Top Layer w8: R16.1@967.5,-1813.24 967.5,-1855.61 C8.2@968.04,-1856.14
NetC9_1: C9.1 R16.2 R17.1 U3.4 | length 188.4
  Top Layer w8: R17.1@839.91,-1691.14 C9.1@894.91,-1691.14 915.5,-1711.73 U3.4@967.5,-1711.73 R16.2@967.5,-1764.03
NetC9_2: C9.2 JP2.3 R17.2 U3.1 | length 462.8
  Top Layer w8: R17.2@839.91,-1641.92 C9.2@891.12,-1641.92 ; C9.2@894.91,-1641.92 C9.2@891.12,-1641.92 ; U3.1@1042.31,-1611.33 1042.31,-1537.77 1042.31,-1501.77 1031.35,-1490.81 906.19,-1490.81 891.12,-1505.88 C9.2@891.12,-1641.92
  Top Layer w20: JP2.3@1042.31,-1537.77 JP2.3@1042.49,-1537.59
NetC12_1: C12.1 R22.1 | length 42.5
  Top Layer w8: R22.1@-746.48,-1588.99 C12.1@-704.48,-1588.99 ; C12.1@-704.81,-1584.11 C12.1@-704.48,-1584.44
NetC12_2: C12.2 JP6.2 | length 865.9
  Top Layer w10: JP6.2@-1317.48,-1661.73 -1308.09,-1661.73 -1292.09,-1677.73 -1144.52,-1677.73 -1034.13,-1788.11 -833.09,-1788.11 -797.93,-1752.95 -797.93,-1635.37 -782.07,-1619.51 -711.71,-1619.51 -711.2,-1619 -685.28,-1619 C12.2@-655.27,-1588.99
NetC13_1: C13.1 R23.2 U6.2 | length 119.9
  Top Layer w8: U6.2@-946.83,-1552.4 -910.25,-1588.98 C13.1@-887.42,-1588.98 -887.42,-1633.7 R23.2@-886.95,-1634.17
NetC13_2: C13.2 C14.2 R21.1 R22.2 | length 134.6
  Top Layer w8: R21.1@-836.5,-1543.8 -838.21,-1545.51 C13.2@-838.21,-1588.98 ; C14.2@-836.31,-1634.17 -836.31,-1590.88 C13.2@-838.21,-1588.98 ; R22.2@-795.81,-1583.98 R22.2@-795.69,-1584.11 ; R22.2@-795.69,-1588.99 C13.2@-838.21,-1588.98
NetC16_2: C16.2 FB1.1 P3.1 | length 520.7
  Top Layer w8: FB1.1@1569.66,1853.97 1569.66,1903.32 C16.2@1568.28,1904.7 1707.7,1904.7 1732.73,1879.67 1732.73,1645.76 1714.4,1627.43 P3.1@1679.69,1627.43
NetC19_2: C19.2 J5.1 L1.2 | length 202.4
  Top Layer w30: C19.2@-1171.49,2362.84 -1140.2,2394.14 L1.2@-1139.24,2394.14
  Top Layer w50: L1.2@-1139.24,2394.14 -1095,2438.38 J5.1@-1095,2533
NetC21_2: C21.2 L1.1 R28.2 | length 83.4
  Top Layer w30: R28.2@-1107.35,2299.27 -1105.72,2299.27 -1075.05,2329.94 L1.1@-1102.21,2357.11
NetC27_1: C27.1 R34.1 R35.2 U9.3 | length 317
  Top Layer w20: U9.3@-454.61,149.97 -454.61,187.66 -434.73,207.54 R35.2@-434.73,364.78 ; R35.2@-434.73,364.78 R34.1@-392.36,364.81 -392.36,415.97 C27.1@-392.09,416.25
NetD1_1: D1.1 L2.2 U9.1 | length 221.6
  Top Layer w20: D1.1@-380.3,227.43 -379.8,226.94 U9.1@-379.8,149.97 -379.51,150.26 L2.2@-235.99,150.26
NetD2_A: D2.A R40.2 R41.2 | length 261.9
  Top Layer w10: D2.A@1231.5,0 1268.74,0 1376.93,108.19 R41.2@1393.59,108.19 R40.2@1448.55,108.19
NetFB2_2: FB2.2 U8.18 | length 79.1
  Top Layer w10: FB2.2@-1467.76,1730.55 -1452.11,1730.55 U8.18@-1407.23,1775.43
NetFB3_2: FB3.2 U8.19 | length 76.5
  Top Layer w10: FB3.2@-1432.7,1695.49 -1425.93,1695.49 U8.19@-1376.61,1744.8
NetFB4_2: FB4.2 U8.20 | length 75.7
  Top Layer w10: FB4.2@-1397.98,1660.02 -1345.99,1712.02 U8.20@-1345.99,1714.18
NetFB5_2: FB5.2 U8.21 | length 78.4
  Top Layer w10: FB5.2@-1362.94,1624.88 -1315.36,1672.46 U8.21@-1315.36,1683.56
NetJP1_2: JP1.2 R15.2 | length 61.2
  Top Layer w8: JP1.2@856.84,-1856.41 856.84,-1855.85 R15.2@917.46,-1855.85
NetQ1_2: Q1.2 R26.1 | length 111.5
  Top Layer w10: Q1.2@1006.51,1573.24 1027.01,1573.24 1042.75,1557.5 1042.75,1520.47 R26.1@1020.29,1498.01
NetQ1_5: Q1.5 R25.1 | length 115.9
  Top Layer w10: R25.1@1020.29,1648.5 1046.13,1622.66 1046.13,1585.5 1058.4,1573.24 Q1.5@1083.29,1573.24
NetR11_1: R11.1 R12.2 U3.3 | length 121.1
  Top Layer w8: R11.1@914.9,-1535.37 954.8,-1535.37 954.8,-1598.63 U3.3@967.5,-1611.33
NetR13_2: R13.2 U4.1 | length 56.2
  Top Layer w8: R13.2@675.18,1273.6 731.06,1273.6 U4.1@731.29,1273.38
NetR18_1: R18.1 R19.2 U6.10 | length 138.2
  Top Layer w8: R19.2@-1291.76,-1402.4 U6.10@-1153.52,-1402.4
NetR20_2: R20.2 R21.2 | length 50.6
  Top Layer w8: R20.2@-887.13,-1494.59 R21.2@-836.5,-1494.59
NetR23_1: R23.1 R24.2 | length 45.8
  Top Layer w8: R23.1@-886.95,-1683.38 -886.54,-1683.79 R24.2@-886.54,-1728.96
NetU6_6: U6.6 U6.7 | length 53.9
  Top Layer w8: U6.6@-950.78,-1352.4 U6.6@-946.83,-1352.4 U6.7@-946.83,-1302.4
R\S\T\: R27.1 U8.8 | length 80
  Top Layer w20: U8.8@-1165.48,2184.21 -1158.81,2184.21 R27.1@-1106.93,2236.09
R\S\T\_SX: A3.6 R31.5 | length 688.9
  Top Layer w10: R31.5@-1103.92,589.88 -1090.79,603.01 -1090.79,1058.28 -1036.46,1112.61 A3.6@-898.19,1112.61
RF_IN: C19.1 U8.11 | length 73.1
  Top Layer w30: U8.11@-1257.35,2276.08 -1257.35,2276.98 C19.1@-1206.29,2328.04
RFU1: P2.17
RFU2: P2.19
RS485_DE: A1.36 U4.2 U4.3 | length 1374.8
  Top Layer w8: A1.36@353.76,2225.6 359.24,2225.6 383.96,2200.88 427.95,2200.88 445.07,2183.77 v1(445.07,2168.93) ; v1(393.46,2092.53) 387.38,2086.45 387.38,1832.64 416.02,1804 468.61,1751.39 468.61,1333.38 578.61,1223.38 U4.2@730.66,1223.38 ; U4.3@730.66,1173.38 U4.3@731.29,1173.38
  Top Layer w10: U4.3@730.66,1173.38 U4.2@730.66,1223.38
  Bottom Layer w8: v1(393.46,2092.53) 393.46,2117.32 v1(445.07,2168.93)
RS485_RX: A1.27 R13.1 R14.2 | length 1306.5
  Top Layer w8: A1.27@353.76,1775.6 404.24,1775.6 440.21,1739.63 440.21,1322.18 567.01,1195.38 647.36,1195.38 665.47,1177.27 665.47,1135.13 699.12,1101.48 758.36,1101.48 765.89,1109.01 765.89,1301.04 744.12,1322.82 R13.1@675.18,1322.82 R14.2@624.16,1322.82
RS485_TX: A1.28 U4.4 | length 938
  Top Layer w8: A1.28@353.76,1825.6 374.4,1825.6 410,1790 410.2,1790 454.61,1745.59 454.61,1327.58 572.81,1209.38 653.16,1209.38 679.47,1183.07 679.47,1140.92 697.02,1123.38 U4.4@731.29,1123.38
RS4855_A: J3.8 P2.9 U4.6 | length 5581.1
  Top Layer w10: v1@680,-1980 680,-1945.72 695.51,-1930.2 695.51,725.51 v1(710,740) ; v1(783.16,852.73) 783.16,868.16 1000.3,1085.3 1000.3,1166.35 993.27,1173.38 U4.6@937.98,1173.38 888.75,1173.38 876.18,1185.95 876.18,1324.48 892.22,1340.52 1011.13,1340.52 v1(1169.9,1499.29) ; J3.8@918.96,1964 918.96,1902.99 1146.7,1675.24 1146.7,1674.98 1148.77,1672.91 v1(1148.77,1630.28)
  Bottom Layer w10: P2.9@-150,-2224.41 -102.11,-2272.3 590.4,-2272.3 680,-2182.7 v1@680,-1980 ; v1(710,740) 710,737.9 783.16,811.06 v1(783.16,852.73) ; v1(1148.77,1630.28) 1149.2,1630.28 1172.79,1606.69 1172.79,1502.18 v1(1169.9,1499.29)
  other v1: 679.28,-1980
RS4855_B: J3.7 P2.7 U4.7 | length 5815.6
  Top Layer w10: v1(701.6,-1960.18) 701.6,-1950.36 711.51,-1940.46 711.51,701.51 v1(730,720) ; v1(812.19,852.73) 812.19,874.57 1016.3,1078.68 1016.3,1205.57 999.43,1222.45 U4.7@928.42,1222.45 ; U4.7@937.98,1223.38 901.82,1223.38 892.18,1233.01 892.18,1317.86 898.85,1324.52 1024.83,1324.52 1197.02,1496.71 v1(1197.02,1499.29) ; J3.7@968.96,2064 968.96,1875.61 1164.77,1679.8 1164.77,1679.53 1175,1669.31 v1(1175,1635)
  Bottom Layer w10: P2.7@-250,-2224.41 -180.27,-2294.14 473.03,-2294.14 478.86,-2288.3 597.03,-2288.3 701,-2184.33 v1@701,-1960.18 ; v1(730,720) 730,721.13 799.16,790.29 799.16,839.03 v1@812.52,852.39 ; v1(1175,1635) 1175,1627.11 1188.79,1613.32 1188.79,1510.1 1197.02,1501.88 v1(1197.02,1499.29)
SAFEBOOT_N: JP3.2 U8.1 | length 146
  Top Layer w10: U8.1@-898.23,1916.96 -797.11,2018.08 JP3.2@-797.11,2021.03
SCK_SX: A3.4 R29.5 | length 90.3
  Top Layer w10: A3.4@-898.19,955.13 -897.95,954.89 R29.5@-808,954.89
SPI.MISO: A1.31 FB4.1 R29.3 | length 3221.8
  Top Layer w10: FB4.1@-1432.22,1625.78 -1455.28,1602.72 -1455.28,1565.56 -1282.35,1392.62 -234.84,1392.62 -214.66,1372.44 -187.64,1372.44 v1(-185.03,1375.05) -182.41,1377.67 -127.97,1377.67 -98.7,1348.4 -98.7,1316.95 -124.43,1291.22 -298.86,1291.22 -666.69,923.39 R29.3@-741.08,923.39 ; v1(246.47,1777.07) 262.38,1792.98 262.38,1909.85 328.13,1975.6 A1.31@353.76,1975.6
  Bottom Layer w10: v1(-185.03,1375.05) -177.64,1382.44 -134.02,1382.44 243.85,1760.32 243.85,1774.46 v1(246.47,1777.07)
SPI.MOSI: A1.37 FB5.1 R29.1 | length 3558
  Top Layer w10: FB5.1@-1397.19,1590.63 -1421.82,1566 -1421.82,1555.57 -1274.88,1408.62 -1162.06,1408.62 ; -1170.26,1408.73 -224.89,1408.73 v1(-221.8,1411.82) -219.18,1414.44 -119.48,1414.44 -66.7,1361.65 -66.7,1303.7 -111.18,1259.22 -285.61,1259.22 -684.43,860.4 R29.1@-741.08,860.4 ; v1(209.7,1813.84) 230.38,1834.52 230.38,1923.11 287.14,1979.87 287.14,2071.57 306.22,2090.64 306.22,2234.96 346.86,2275.6 A1.37@353.76,2275.6
  Bottom Layer w10: v1(-221.8,1411.82) -219.18,1414.44 -147.28,1414.44 207.08,1768.8 207.08,1811.23 v1(209.7,1813.84)
SPI.SCK: A1.30 FB3.1 R29.4 | length 3208.2
  Top Layer w10: FB3.1@-1466.94,1661.25 -1468.92,1661.25 -1503.48,1626.69 -1503.48,1590.25 -1289.86,1376.62 -241.47,1376.62 -218.9,1354.05 -176.33,1354.05 -170.18,1360.21 v1(-166.64,1356.67) -161.64,1361.67 -134.6,1361.67 -114.7,1341.77 -114.7,1323.58 -131.06,1307.22 -305.49,1307.22 -657.82,954.89 R29.4@-741.08,954.89 ; v1(264.85,1758.69) 264.85,1765.76 278.38,1779.29 278.38,1848.96 279.7,1850.28 279.7,1887.33 317.97,1925.6 A1.30@353.76,1925.6
  Bottom Layer w10: v1(-166.64,1356.67) -156.87,1366.44 -127.4,1366.44 v1(264.85,1758.69)
SPI_C\S\0\: A1.29 FB2.1 | length 2415.5
  Top Layer w10: FB2.1@-1502,1696.31 -1554.61,1643.7 -1554.61,1618.46 -1333.05,1396.9 -1332.76,1396.9 -1296.48,1360.62 -248.1,1360.62 -223.14,1335.67 -150.87,1335.67 v1(-148.26,1338.28) ; v1(283.24,1740.3) 283.24,1747.37 296.15,1760.29 296.15,1850.09 321.66,1875.6 A1.29@353.76,1875.6
  Bottom Layer w10: v1(-148.26,1338.28) -136.1,1350.44 -120.77,1350.44 266.48,1737.69 273.55,1737.69 280.62,1744.76 280.62,1737.69 v1(283.24,1740.3)
SPI_C\S\1\: A1.33 R29.2 | length 1991.1
  Top Layer w10: R29.2@-741.08,891.89 -675.56,891.89 -292.24,1275.22 -117.8,1275.22 -82.7,1310.33 -82.7,1355.02 -126.11,1398.44 -198.41,1398.44 v1(-203.41,1393.44) v1@-206.03,1390.82 ; v1(228.08,1795.46) 246.38,1813.75 246.38,1916.48 303.14,1973.24 303.14,2064.94 313.81,2075.6 A1.33@353.76,2075.6
  Bottom Layer w10: v1(-203.41,1393.44) -198.41,1398.44 -140.65,1398.44 225.47,1764.56 225.47,1792.84 v1(228.08,1795.46)
USB_5V: C17.2 FB1.2 U7.19 | length 265.9
  Top Layer w8: U7.19@1405.68,1723.61 1405.68,1811.92 1416.95,1823.2 1499.12,1823.2 C17.2@1519.07,1803.25 1519.07,1852.59 FB1.2@1517.69,1853.97
USB_D_N: P3.2 U7.15 | length 243
  Top Layer w8: U7.15@1458.83,1680.3 U7.15@1468.67,1680.3 1552.9,1680.3 1581.12,1652.07 P3.2@1690.13,1652.07
USB_D_P: P3.3 U7.14 | length 219.5
  Top Layer w8: U7.14@1468.67,1660.62 1469.94,1659.34 v1(1545.45,1659.34) ; v1(1585.36,1678.31) 1585.66,1678.61 P3.3@1679.69,1678.61
  Bottom Layer w8: v1(1545.45,1659.34) 1566.4,1659.34 v1(1585.36,1678.31)
VCC: C27.2 C28.2 D1.3 J7.30 R34.2 | length 315
  Top Layer w10: C28.2@-342.88,483.34 -342.88,492.44 -275.59,559.73 J7.30@-275.59,602.36
  Top Layer w20: C28.2@-343.3,483.77 -342.88,483.34 C27.2@-342.88,416.25 -343.15,415.98 R34.2@-343.15,364.81 -342.89,364.56 D1.3@-342.89,316.01
VCC_RF: R28.1 U8.9 | length 74.5
  Top Layer w30: U8.9@-1196.1,2214.84 -1146.47,2264.47 R28.1@-1142.15,2264.47
Vcomh: C25.2 J7.29 | length 106.5
  Top Layer w10: C25.2@-272.81,503.45 -272.81,534.17 ; -272.06,533.28 -255.91,549.43 J7.29@-255.91,602.36
VMid: R20.1 U6.3 U6.8 U6.9 U6.13 | length 642.3
  Top Layer w8: U6.13@-1153.52,-1552.4 -1181.19,-1552.4 -1189.69,-1543.9 -1189.69,-1495.34 -1175.93,-1481.58 -1103.89,-1481.58 ; U6.8@-1153.52,-1302.4 U6.9@-1153.52,-1352.4 -1118.87,-1352.4 -1103.89,-1367.38 -1103.89,-1481.58 ; R20.1@-887.13,-1543.8 -905.43,-1543.8 U6.3@-946.83,-1502.4 -1083.06,-1502.4 -1103.89,-1481.58
pads on no net: A1.17 A1.18 A1.19 A1.20 A1.21 A1.22 A1.32 D1.2 Fid1. Fid2. Fid3. H1.1 H2.1 H3.1 H4.1 H5.1 H6.1 J1.0 J2.0 J3.0 J3.6 J4.0 J7.0 J7.3 J7.4 J7.5 J7.6 J7.7 J7.8 J7.9 J7.10 J7.14 P1.0 P1.1 P1.7 P1.11 P1.12 P1.13 P1.15 P1.17 P1.19 P1.21 P1.23 P1.24 P1.26 P1.27 P1.28 P1.29 P1.31 P1.33 P1.35 P1.36 P1.37 P1.38 P1.40 P3.0 P3.4 R30.1 R30.8 U1.11 U1.14 U7.3 U7.5 U7.6 U7.7 U7.8 U7.9 U7.10 U7.11 U7.12 U7.13 U7.18 U7.21 U7.22 U7.23 U7.25 U7.27 U7.28 U7.29 U8.4 U8.5 U8.6 U8.14 U8.15 U8.16 U8.17

## Polygon pours and split planes (outlines as drawn)
GND on Bottom Layer "Bottom Layer-GND" (solid, remove dead copper, pour order 1): -688.98,2622.05 -688.98,2385.83 688.98,2385.83 688.98,2622.05 1771.65,2622.05 cw(c1771.65,2543.31) 1850.39,2543.31 1850.39,-2543.31 cw(c1771.65,-2543.31) 1771.65,-2622.05 -1771.65,-2622.05 cw(c-1771.65,-2543.31) -1850.39,-2543.31 -1850.39,2543.31 cw(c-1771.65,2543.31) -1771.65,2622.05
GND on Top Layer "Top Layer-GND" (solid, remove dead copper, pour order 0): -688.98,2622.05 -688.98,2385.83 688.98,2385.83 688.98,2622.05 1771.65,2622.05 cw(c1771.65,2543.31) 1850.39,2543.31 1850.39,-2543.31 cw(c1771.65,-2543.31) 1771.65,-2622.05 -1771.65,-2622.05 cw(c-1771.65,-2543.31) -1850.39,-2543.31 -1850.39,2543.31 cw(c-1771.65,2543.31) -1771.65,2622.05

## Keep-outs
Keep-Out Layer:
  the board outline again, w10

## Other copper
Top Layer:
  text "CJH '17" at 1236,-2592 h35
Bottom Layer:
  text "CJH '17" at 1451.62,-2591.76 h35
Multi-Layer:
  pour cut-out: -1200,-2381.89 1200,-2381.89 1200,-2622.05 -1200,-2622.05

## Silkscreen, mask and mechanical layers (free items; w line width, h text height)
Top Overlay:
  drawing of 2521 lines, arcs and shapes, not listed
  text "Power" at 1069.96,-97.77 h60
  text "GridBallast / Controller v1.1" at 1790.07,-314.62 h100 r90
  text "OpenChirp" at -1412.92,-2587.33 h125
  text "CJH '17" at 1236,-2592 h35
Mechanical 1:
  text "Power LED is / 1200mil right / of center and / vertically center" at 2149.92,-265.18 h40

## Dimensions
-1850.39,-2543.31 to -1614.17,-2381.89 on Mechanical 1
-1771.65,-2622.05 to -1614.17,-2381.89 on Mechanical 1
-1850.39,-2543.31 to 1850.39,-2543.31 on Mechanical 1
1771.65,2622.05 to 1771.65,-2622.05 on Mechanical 1

## Text inside footprints (layer, text, board x,y; h text height)
J3: Top Overlay "RJ45" at 1237.72,2529.61 h78.74 r180
P1: Mechanical 1 "SD Card" at -1440.3,-2162.79 h59.06; Mechanical 1 "HDMI" at -593.03,-1839.21 h78.74 r90; Mechanical 1 "USB" at -592.2,-636.89 h59.06 r90; Mechanical 1 "USB" at -589.17,-134.65 h59.06 r90
P2: Mechanical 1 "11.37MM / FROM / CENTER" at 88,-2560.15 h39.37 r90